# KiCad board TRX055.01.01.PB.00.00.kicad_pcb (continued)
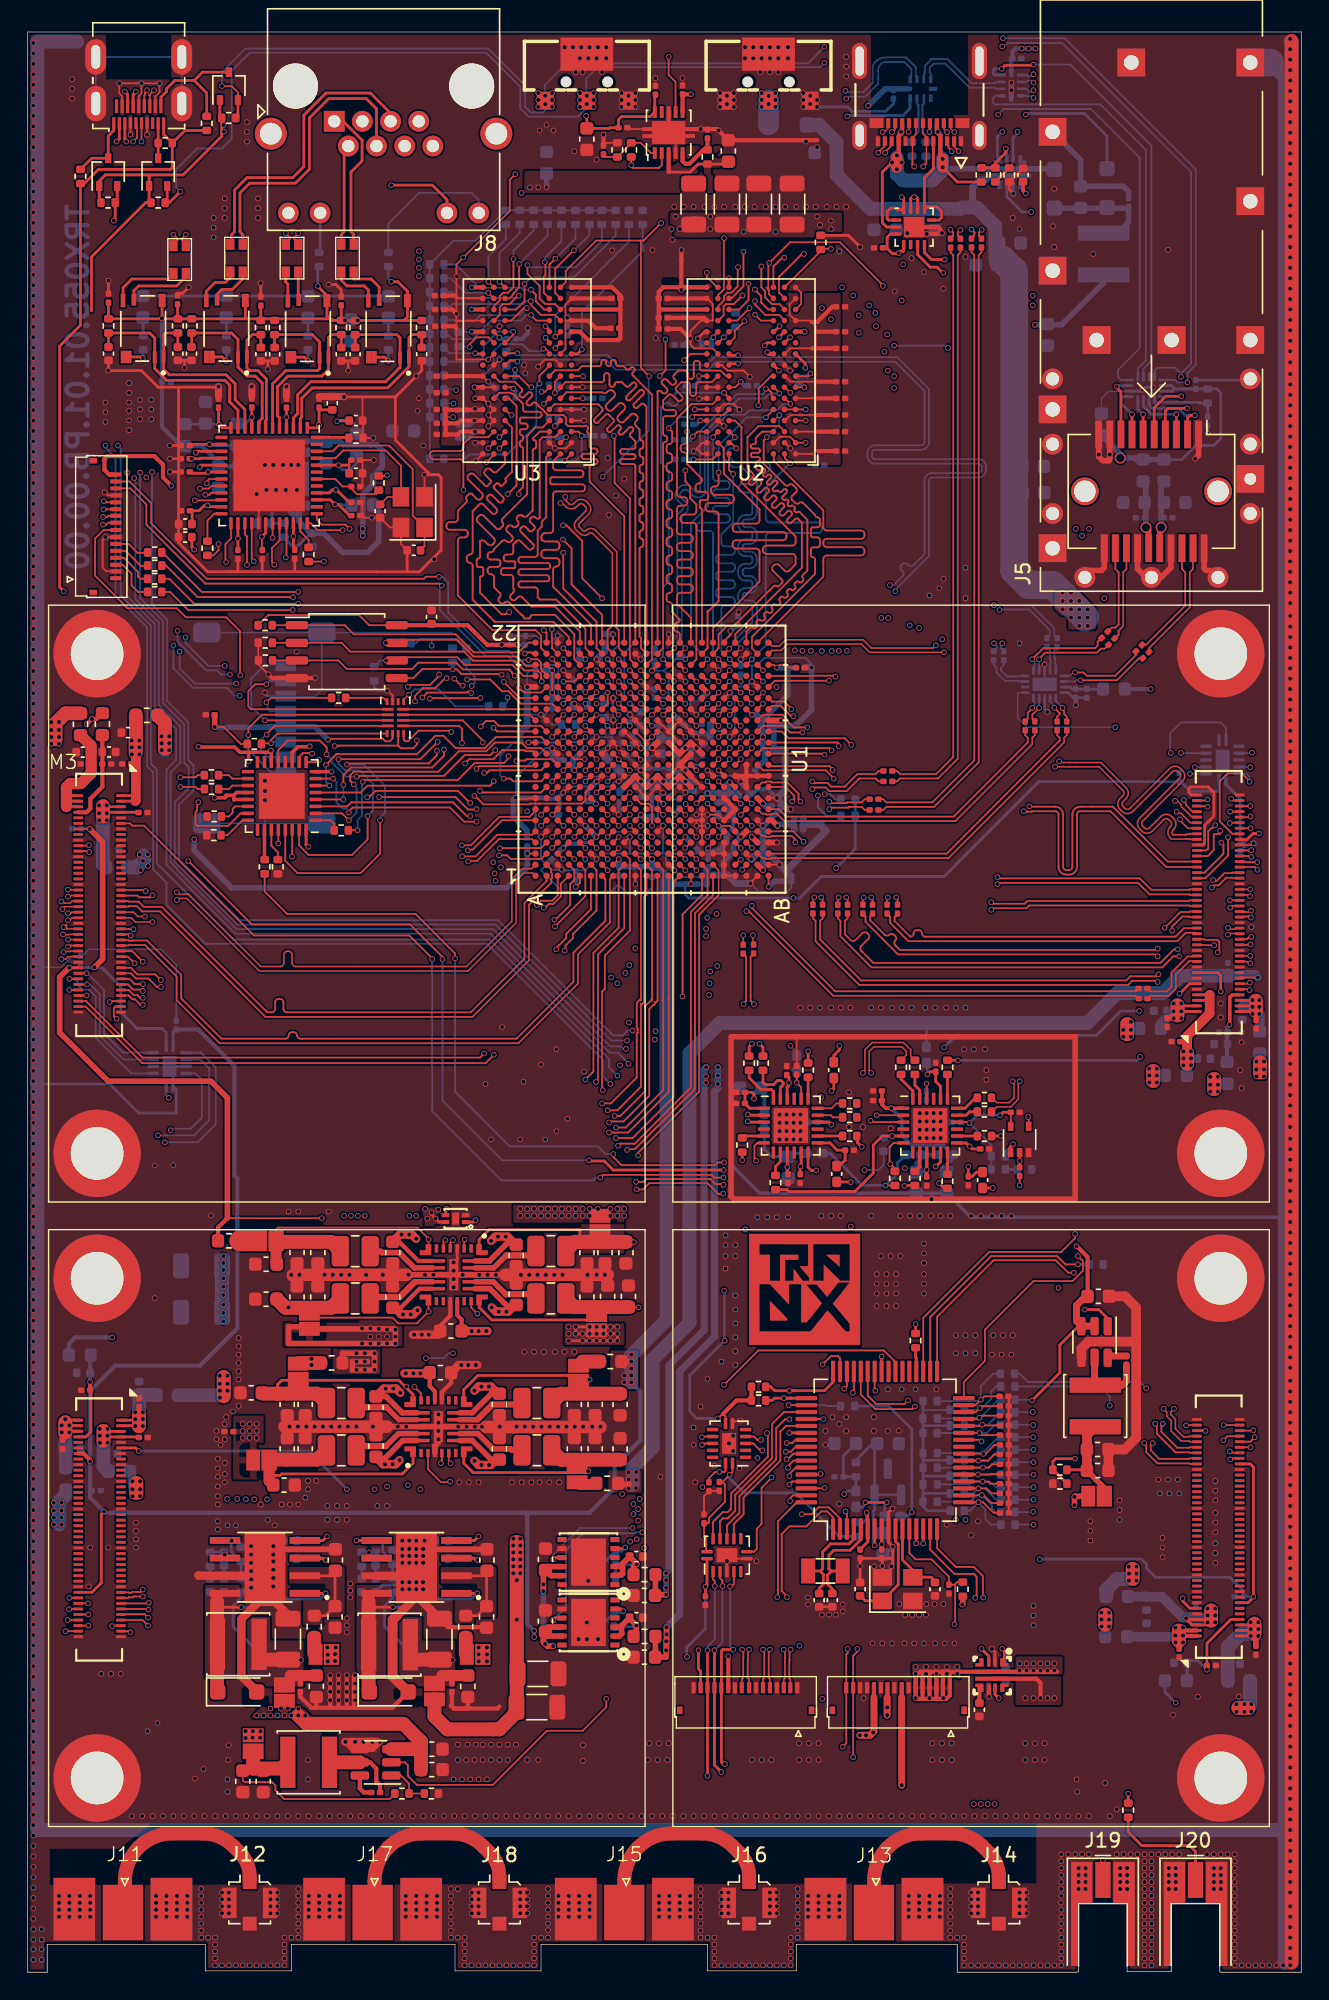
[diagram p0: board, top side]
## Routing (per net, layer and track width the routed paths; a pad name or vN(x,y) marks a point on that pad's centre or on a via; arc(x,y) is an arc through that point) (continued)
/ZynqPower/DDRVREF: length 6.2
  Top w0.127: U1.P16 47.39,90.61 ; U1.H16 42.59,90.61
  In2.Cu w0.127: v1(47.4,90.6) U1.P16 42.99,91 v1(42.59,90.6)
/ZynqPower/MGTAVCC: length 77.5
  Top w0.127: v1(49.04,80.99) 49.04,81.04 U1.U4 ; U1.W5 50.6,82.6 v1(49.8,82.6) ; U1.U6 49.79,82.61 ; U1.U8 49.06,84.94 v1(49,84.94)
  Top w0.3: U1.W9 50.96,85.4 v1(50.61,85.75)
  Top w0.4: v1(46.02,27.2) 45.27,27.2 C245.1 45.25,27.18 FB38.2
  In4.Cu w0.4: v1(49.04,80.99) 49.05,81
  In4.Cu w0.5: 48.9,64 48.9,66.4 50.3,67.8 50.3,81.52 50.35,81.57 50.35,82.03 50.3,82.08 50.3,82.1 v1(49.8,82.6) 50.15,82.95 50.15,84.6 49.81,84.94 v1(49,84.94) 50.54,84.94 50.6,85 50.6,85.8
  Bottom w0.127: 48.98,84.94 v1(49,84.94) 49,84.93 ; v1(49.8,82.6) 49.77,82.63 ; 49.05,81 v1(49.04,80.99)
  Bottom w0.4: 49.05,80.75 49.05,80.99 v1(49.04,80.99) ; 49.05,80.75 49.72,80.75 50.38,81.4 50.38,81.94 50.38,81.95 50.38,82.02 v1(49.8,82.6) ; 49.05,80.75 C48.1 ; v1(46.02,28.75) v1(46.02,27.2)
  Bottom w0.5: C46.1 50.42,84.94 C45.1 48.97,84.94 48.96,84.94 v1(49,84.94) ; C46.1 51.07,84.97 C49.1 ; C46.1 50.45,85.54 50.61,85.7 ; v1(46.02,28.75) 46.2,28.93 46.2,43.7 48.75,46.25 48.75,65.05 v1(48.9,65.2)
  vias: v1(46.02,28.25) v1(46.02,27.7) v1(48.9,64.55) v1(48.9,64.1)
/ZynqPower/MGTAVTT: length 74
  Top w0.127: U1.Y7 v1(51.4,83.4) ; U1.AB1 v1(53.4,78.2)
  Top w0.4: U1.AB6 53.65,83 v1(54.05,82.6) ; FB37.2 45.25,22.72 C246.1 46.02,22.7 46.02,23.9 ; 46.05,23.65 v1(46.05,24.85) ; U1.AA8 v1(53,84.2) ; v1(52.2,81.8) U1.AA4 ; U1.AA2 v1(53,79.4)
  In4.Cu w0.5: 50.95,70.5 50.95,76.85 51.9,77.8 53,77.8 v1(53.4,78.2) ; 50.95,70.5 50.95,67.15 49.75,65.95 v1(49.75,64) ; 50.95,70.5 50.95,70.15
  Bottom w0.127: 51.38,83.42 v1(51.4,83.4)
  Bottom w0.4: C44.1 53.2,84 v1(53,84.2) ; v1(46.05,24.85) 46.05,23.23 v1(46.02,23.2) v1(46.02,23.85) ; 55.25,82.7 54.15,82.7 v1(54.05,82.6) ; 55.25,82.7 C43.1 ; 55.25,82.7 55.25,82.36 C40.1 ; C41.1 53.8,78.6 v1(53.4,78.2) ; C42.1 v1(53,79.4)
  Bottom w0.5: v1(46.05,24.85) 47,25.8 47,43.3 49.5,45.8 49.5,63.45 49.75,63.7 v1(49.75,65.2)
  vias: v1(46.05,24.35) v1(49.75,64.6)
/ZynqPower/PS_MIO_VREF_501: length 3
  Top w0.2: U1.F15 v1(41,90.6)
  Bottom w0.127: R70.1 39.76,90.16 40.56,90.16 v1(41,90.6) 41.39,90.6 R69.2
/ZynqPower/QBUCK_LP87524J1/SW0: length 5.1
  Top w0.4: 35.55,37.69 L5.1 34.9,37.61 34.8,37.71 33.5,37.71 33.5,37.75 32.44,38.81 U6.10
/ZynqPower/QBUCK_LP87524J1/SW1: length 5.1
  Top w0.4: 35.53,40.91 L6.1 35.5,40.89 ; 32.44,39.81 U6.12
  Top w0.45: 35.53,40.91 33.5,40.91 32.44,39.85
/ZynqPower/QBUCK_LP87524J1/SW2: length 5
  Top w0.4: 23.64,37.76 23.56,37.69 ; 25.84,37.93 26.71,38.81 U6.25 ; 24,37.93 23.67,37.61
  Top w0.45: 25.84,37.93 25.81,37.91 24.02,37.91 24,37.93
/ZynqPower/QBUCK_LP87524J1/SW3: length 5
  Top w0.38: U6.23 26.75,39.81 25.87,40.69
  Top w0.4: 23.95,40.69 23.67,40.96 ; 23.56,40.88 23.64,40.81
  Top w0.45: 23.95,40.69 23.97,40.71 25.85,40.71 25.87,40.69
/ZynqPower/QBUCK_LP87524J/SW0: length 5.1
  Top w0.4: 24.76,51.87 L1.1 25.41,51.95 25.51,51.85 26.81,51.85 26.81,51.81 27.87,50.75 U4.10
/ZynqPower/QBUCK_LP87524J/SW1: length 5.1
  Top w0.4: 24.81,48.67 L2.1 24.78,48.65 ; 27.87,49.75 U4.12
  Top w0.45: 24.78,48.65 26.81,48.65 27.87,49.71
/ZynqPower/QBUCK_LP87524J/SW2: length 5
  Top w0.4: 36.31,51.63 36.64,51.95 ; U4.25 33.6,50.75 34.47,51.63 ; 36.67,51.8 36.75,51.88
  Top w0.45: 36.31,51.63 36.29,51.65 34.5,51.65 34.47,51.63
/ZynqPower/QBUCK_LP87524J/SW3: length 5
  Top w0.4: 36.75,48.67 36.67,48.75 ; 36.36,48.87 36.64,48.6 ; U4.23 33.56,49.75 34.44,48.87
  Top w0.45: 36.36,48.87 36.34,48.85 34.46,48.85 34.44,48.87
PWR_CORE: length 180.6
  Top w0.3: 33.95,41.63 33.95,41.85 ; C158.1 26.88,47.88 28.25,49.25 U4.13 ; 26.25,52.58 26.25,52.8 ; C163.1 28.97,42.22 29.35,41.85 U6.18 ; C161.1 33.97,36.9 33.95,36.9 ; C160.1 31.28,47.03 30.96,47.34 U4.18 ; 35.2,48.17 35.2,47.95 ; 25.05,37.16 25.05,36.95 ; 26.35,47.97 26.35,47.75 ; C162.1 26.78,52.62 28.15,51.25 U4.9 ; C157.1 25.1,41.7 ; 35.15,52.44 35.15,52.65
  Top w0.4: U4.26 33.28,51.25 34.58,52.55 35.12,52.55 ; U6.9 32.04,38.31 33.42,36.94 C161.1 ; U4.22 33.31,49.25 34.56,48 35.12,48 ; C159.1 33.42,41.69 32.04,40.31 U6.13 ; U6.22 27,40.31 25.83,41.49 C157.1 ; 25.19,37.01 25.73,37.01 27.03,38.31 U6.26
  Top w0.6: v1(32.2,36.85) 32.5,36.55 v1(32.7,36.55) 33.39,36.55 33.77,36.94 C161.1 ; 26.25,52.58 26.81,53.15 v1(27.5,53.15) 27.7,53.15 v1(28,52.85) ; v1(26.8,36.9) 26.5,36.6 v1(26.3,36.6) 25.61,36.6 25.05,37.16 ; C157.1 25.67,42.05 v1(26.35,42.05) 26.55,42.05 v1(26.85,41.75) ; C160.1 33.15,46.2 ; v1(33.4,52.7) 33.7,53 v1(33.9,53) 34.58,53 35.15,52.44 ; v1(28.1,47.7) 27.8,47.4 v1(27.6,47.4) 26.92,47.4 26.35,47.97 ; 35.2,48.17 34.64,47.6 v1(33.95,47.6) 33.75,47.6 v1(33.45,47.9) ; 29.03,43.15 27.15,43.15 ; 33.95,41.63 33.39,42.2 v1(32.7,42.2) 32.5,42.2 v1(32.2,41.9)
  Top w1: JP12.2 29.31,18.44 30.25,17.5 34,17.5 35.25,18.75 v1(35.25,28.25) 35.25,31
  In4.Cu w0.127: v1(35.25,25.4) 36.41,25.4 37.08,24.72 41.53,24.72 41.7,24.55 43.99,24.55 44.97,25.53 46.75,25.53 48.35,27.12 48.35,27.8 48.74,28.19 51.89,28.19 51.9,28.18 56.12,28.18 56.78,27.53 69.12,27.53 72.88,31.28 72.88,39.12 72.57,39.43
  In4.Cu w0.3: 25.8,43.1 25.8,43.55 26.95,44.7 26.95,53.15 v1(26.95,53.15) v1(27.5,53.15) ; 25.8,43.1 v1(25.8,42.05) 25.8,36.65 v1(25.75,36.6) 26.45,35.9 32.6,35.9 v1(33.25,36.55) v1(33.25,42.2) 34.5,43.45 34.5,46.1 ; 25.8,43.1 25.85,43.15 v1(27.25,43.15) ; 34.5,46.1 33.15,46.1 v1(33.05,46.2) ; 34.5,46.1 v1(34.5,47.6) 34.5,52.95 v1(34.45,53)
  In4.Cu w1: v1(35.25,28.25) 35.25,33.75 33.38,35.62 33.38,36.38 33,36.75
  Bottom w0.127: v1(72.47,39.43) 72.45,39.45 R127.1
  vias: v1(27.05,47.4) v1(27.8,43.15) v1(28.3,43.15) v1(32,46.2) v1(32.5,46.2) v1(35,31.25) v1(35,30.75) v1(35,30.25) v1(35,29.75) v1(35,29.25) v1(35,28.75) v1(35.5,31.25) v1(35.5,30.75) v1(35.5,30.25) v1(35.5,29.75) v1(35.5,29.25) v1(35.5,28.75)
SR_A0: length 96.6
  Top w0.127: 17.9,51.07 C10.1 ; U4.8 28.89,52.86 28.1,53.65 18.05,53.65 17.9,53.5 JP1.1
  Top w0.8: JP1.1 17.9,51.07
  Top w1: JP1.1 17.97,52.62 21.86,52.62 L1.2
  In2.Cu w0.127: v1(28.9,52.8) 29.6,52.1 29.6,50.4 29.72,50.28 29.72,43.27 28.75,42.3 28.62,42.3 28.3,41.97 28.3,34.9
  In4.Cu w0.127: 67.17,28.82 67.28,28.82 ; 67.17,28.82 68.45,28.82 70.6,30.97 70.6,33.68 71.9,34.97 72.47,34.97 ; 67.17,28.82 57.38,28.82 56.92,29.28 52.69,29.28 52.68,29.26 52.37,29.26 52.36,29.28 50.57,29.28 50.55,29.26 50.25,29.26 50.23,29.28 47.97,29.28 47.08,28.38 47.08,27.65 46.22,26.8 37.16,26.8 36.53,27.43 34.6,27.43 34.25,27.78 34.25,32 32.88,33.38 28.61,33.38 28.3,33.69 v1(28.3,34.8)
  Bottom w0.127: R117.1 v1(72.5,34.95)
SR_A1: length 90.8
  Top w0.127: JP2.1 20.64,47.16 26.29,47.16 26.7,46.75 28.05,46.75 28.89,47.58 U4.14
  Top w1: C9.1 18.57,47.88 C4.1 21.86,47.88 L2.2
  In2.Cu w0.127: v1(28.9,47.6) 29.4,47.1 29.4,45.8 28.2,44.6 27.4,44.6 25.4,42.6 25.4,38.3 24.8,37.7 24.8,35.1 25,34.9
  In4.Cu w0.127: 72.47,32.3 71.82,32.3 71.53,32 71.53,30.53 68.9,27.9 56.95,27.9 56.4,28.45 48.47,28.45 48.03,28 48.03,27.2 46.62,25.8 44.08,25.8 43.5,25.22 42.08,25.22 41.56,25.74 36.83,25.74 36.39,26.18 34.45,26.18 33.3,27.32 33.3,31.68 32.53,32.45 27.68,32.45 25.33,34.8 v1(25,34.8)
  Bottom w0.127: R111.1 v1(72.5,32.25)
  vias: v1(18.8,47.9)
SR_A2: length 74.9
  Top w0.2: 39.8,52.62 39.8,53.5 33.25,53.5 32.53,52.78 U4.1
  Top w1: L3.2 39.45,52.62 C5.1 43.11,52.62 C11.1
  In4.Cu w0.127: v1(43.7,52.6) 43.7,48.3 43.4,48 43.4,45.5 42,44.1 42,30.28 42.53,29.75 42.54,29.76 46.24,29.76 47.08,30.6 60.62,30.6 60.94,30.28 68.5,30.28 69.68,31.45 69.68,34.07 71.35,35.75 71.35,37.03 71.97,37.65 72.47,37.65
  Bottom w0.127: R123.1 v1(72.5,37.65)
SR_A3: length 71.7
  Top w0.127: C12.1 43.33,47.9 v1(44.04,47.9)
  Top w0.2: U4.21 32.53,47.92 33.45,47 40.6,47 JP4.1
  Top w1: C12.1 39.41,47.92 L4.2
  In4.Cu w0.127: 65.42,30.53 68.3,30.53 69.38,31.6 69.38,34.2 70.7,35.53 70.7,37.53 71.72,38.55 72.32,38.55 ; 65.42,30.53 63.75,30.53 63.07,31.2 57.3,31.2 57,30.9 46.8,30.9 46,30.1 42.7,30.1 42.3,30.5 42.3,43.82 43.8,45.32 43.8,47.66 v1(44.04,47.9) ; 65.42,30.53 65.47,30.53
  Bottom w0.127: R125.1 v1(72.47,38.55)
SR_B0: length 59.7
  Top w0.2: JP5.1 39.15,36 32.1,36 31.42,36.68 U6.8
  Top w1: C13.1 38.46,36.93 L5.2
  In4.Cu w0.127: 41.3,35.2 41.3,35.1 ; 41.3,35.2 41.3,30.03 42.6,28.72 44.62,28.72 45.03,29.12 46.8,29.12 47.65,29.97 50.23,29.97 50.25,29.99 50.55,29.99 50.57,29.97 52.36,29.97 52.37,29.99 52.68,29.99 52.69,29.97 60.17,29.97 60.51,29.64 62.54,29.64 62.58,29.6 68.78,29.6 70.3,31.12 70.3,33.82 72.3,35.82 72.5,35.82 ; 41.3,35.2 41.3,35.7 40.9,36.1 v1(40.4,36.1)
  Bottom w0.127: R119.1 v1(72.5,35.85)
SR_B1: length 66.8
  Top w0.2: JP6.1 39.25,43 32.45,43 31.42,41.97 U6.14
  Top w1: C14.1 42.69,41.69 38.45,41.69 L6.2
  In4.Cu w0.127: v1(40.5,42.7) 41.4,42.7 41.64,42.46 41.64,30.16 42.78,29.03 44.42,29.03 44.85,29.45 46.6,29.45 47.45,30.3 60.4,30.3 60.69,30.01 68.71,30.01 70,31.3 70,33.95 71.68,35.62 71.68,36.45 71.95,36.72 72.5,36.72
  Bottom w0.127: R121.1 v1(72.5,36.75)
SR_B2: length 78.8
  Top w0.2: 27.78,37.71 27.78,36.68 27,35.9 18.3,35.9 18.2,35.8 17.5,35.8 17.3,36 17.3,36.8 JP7.1
  Top w0.8: JP7.1 17.4,35.4 C15.1
  Top w1: 18.03,36.94 C23.1 20.86,36.94 L7.2
  In2.Cu w0.127: v1(27.4,36.5) 27.4,35.2
  In4.Cu w0.127: v1(27.4,35.1) 27.4,33.7 28.05,33.05 32.78,33.05 33.97,31.85 33.97,27.57 34.6,26.95 36.55,26.95 37.05,26.45 46.33,26.45 47.38,27.5 47.38,28.22 48.15,29 56.75,29 57.22,28.53 68.57,28.53 70.9,30.85 70.9,33.55 71.4,34.05 72.47,34.05
  Bottom w0.127: R115.1 v1(72.5,34.05)
SR_B3: length 84.8
  Top w0.2: 18.08,41.69 18,41.77 18,42.34 18.31,42.65 26.75,42.65 27.78,41.62 27.78,40.91 ; 16.94,41.69 C16.1
  Top w1: 18.08,41.69 16.94,41.69 ; 18.08,41.69 18.08,41.69 ; 18.08,41.69 C20.1 20.85,41.69 L8.2
  In2.Cu w0.127: v1(27.3,42.2) 27.3,41.5 25.7,39.9 25.7,38.1 25.2,37.6 25.2,35.7 v1(25.9,35)
  In4.Cu w0.127: 72.4,33.2 71.57,33.2 71.2,32.82 71.2,30.68 68.72,28.2 57.12,28.2 56.6,28.72 48.33,28.72 47.7,28.1 47.7,27.32 46.5,26.12 43.83,26.12 43.3,25.6 42.28,25.6 41.78,26.1 36.97,26.1 36.5,26.57 34.53,26.57 33.65,27.45 33.65,31.75 32.65,32.75 27.85,32.75 25.9,34.7 v1(25.9,35)
  Bottom w0.127: R113.1 72.45,33.15
  Bottom w0.2: 72.45,33.15 v1(72.47,33.18)
SR_C0: length 95.8
  Top w0.2: v1(72.4,41.2) 74.4,43.2 74.4,45.2 75.75,46.55 U30.3
  Top w0.3: C285.1 76.4,51.54 75.64,52.3 v1(75.6,52.3)
  Top w0.5: U30.2 U30.3 75.6,46.9 75.6,48.05 76.25,48.7 C285.1
  In2.Cu w0.127: v1(72.6,118.7) 72.5,118.6 72.5,104.3 72.8,104 75,104 75.2,103.8 75.2,102.4 75.5,102.1 76.7,102.1 77.6,101.2 v1(77.6,99)
  In4.Cu w0.3: v1(75.6,52.3) 75.95,52.65 75.95,68.55 77.8,70.4 77.8,86.58 79.25,88.03 79.25,94.15 77.6,95.8 v1(77.6,99)
  Bottom w0.127: R131.1 72.35,41.25 v1(72.4,41.2)
  Bottom w0.2: L16.2 77.55,121.85
  Bottom w0.4: v1(72.6,118.7) 74.53,118.7 77.55,121.72 L16.2
VREF_DDR: length 73.2
  Top w0.127: v1(40.03,114.99) 40.02,115 U3.H1 ; v1(45.56,115.01) 45.98,115.43 45.98,117.58 ; U3.M8 34,117.8 ; 49.78,118.2 49.38,117.8 ; U2.H1 56.23,115 v1(56.42,115.19)
  Top w0.3: 47.81,135.31 47.81,135.31 C147.1 ; U15.6 47.2,135.28 47.18,135.3
  In2.Cu w0.127: v1(40.03,114.99) 40.52,115.48 45.12,115.48 45.54,115.06 ; v1(33.99,117.78) 33.99,117.73 33.88,117.84 32.15,117.84 32.15,117.84 31.85,117.84 31.85,117.84 31.8,117.84 31.39,117.43 31.39,116.03 31.97,115.46 v1(35.13,115.46) ; v1(45.96,117.65) 45.96,117.83 46.33,118.2 48.91,118.2 49.31,117.8 v1(49.43,117.8) 49.9,117.33 50.99,117.33 51.66,118 53.34,118 54.89,116.44 56.15,116.44 56.41,116.18 56.41,115.31 56.36,115.26
  In2.Cu w0.3: v1(47.8,135.32) 47.8,129.94 44.24,126.38 35.47,126.38 32.36,123.28 32.45,123.19 32.45,119.32 v1(33.99,117.78)
  In4.Cu w0.127: v1(40.03,114.99) 36.26,114.99 35.88,114.61 35.51,114.61 35.02,115.1 35.02,115.45
  Bottom w0.3: C330.1 34.09,117.68 v1(33.99,117.78) ; C328.1 49.27,117.64 v1(49.43,117.8) ; C327.1 56.2,114.97 v1(56.42,115.19) ; 35.14,114.95 35.14,115.45 v1(35.13,115.46)
Net-(C134-Pad1): length 1.3
  Bottom w0.2: R59.2 8.32,119.2 C134.1
Net-(C138-Pad1): length 1.3
  Bottom w0.2: R62.2 14.32,119.2 C138.1
Net-(C142-Pad1): length 1.3
  Bottom w0.2: R65.2 C142.1
Net-(C146-Pad1): length 1.3
  Bottom w0.2: R68.2 26,119.1 26.1,119.2
Net-(C176-Pad1): length 5.4
  Bottom w0.2: 58.8,35.7 58.8,37.19 C176.1 ; 58.99,35.7 R86.2 FB17.2 59.09,34.67 58.88,34.45
  vias: v1(58.85,34.45)
Net-(C237-Pad2): length 0.9
  Bottom w0.2: C237.2 C241.1
Net-(C240-Pad1): length 6.9
  Top w0.4: 42.88,29.44 42.72,29.28 42.28,29.28 ; 42.88,29.44 42.88,28.71 42.8,28.62 42.28,28.62 ; 42.88,29.44 C240.1 43.86,29.48 43.86,29.42 v1(43.89,29.4) 43.81,29.4 43.67,29.26 FB38.1
  Bottom w0.2: R162.1 R7.1 43.76,29.35 43.81,29.4 v1(43.89,29.4)
Net-(C243-Pad1): length 0.9
  Bottom w0.2: R4.2 C243.1
Net-(C252-Pad1): length 0.9
  Bottom w0.2: R92.2 C252.1
Net-(C254-Pad2): length 0.9
  Bottom w0.2: C254.2 C255.1
Net-(C382-Pad1): length 49.7
  Top w0.127: C382.1 v1(71.5,56.7)
  Top w0.2: R141.2 79.32,12.19 v1(79.32,12.87)
  In2.Cu w0.2: v1(71.5,56.7) 71.77,56.7 73.85,54.62 73.85,48.08 74.05,47.88 74.05,39.78 74.33,39.5 74.33,31.7 78.78,27.25 78.78,23.76 77.39,22.37 77.39,14.88 79.32,12.95 v1(79.32,12.87)
Net-(C382-Pad2): length 2.6
  Top w0.127: C382.2 U28.2
  Bottom w0.2: v1(71.5,58.46) 71.5,57.99 R164.1 70.48,57.84 R165.2
Net-(D2-A): length 35.2
  In2.Cu w0.2: v1(53.9,134.9) 54.7,134.9 56.2,136.4 56.2,138.7 56.8,139.3 65.8,139.3 66.8,138.3 66.8,136.5 68.9,134.4 71.4,134.4 v1(71.95,133.85)
  Bottom w0.2: D5.2 77.8,132.29 76.17,133.92 72.02,133.92 v1(71.95,133.85)
  Bottom w1.5: D2.2 53.4,134.9
  vias: v1(52.9,135.4) v1(52.9,134.9) v1(52.9,134.4) v1(53.4,135.2) v1(53.4,134.6) v1(53.9,135.4) v1(53.9,134.4)
Net-(J5-VccR): length 5
  Top w0.4: v2(80.6,104.1) 80.8,103.9 J5.15
  Bottom w0.4: v2(80.6,104.1) 80.6,107.21 FB34.1
Net-(J5-VccT): length 4.9
  Top w0.4: J5.16 81.6,104 v2(81.7,104.1)
  Bottom w0.4: 81.9,107.4 81.7,107.2 v2(81.7,104.1)
Net-(J6-CLK): length 6.8
  Top w0.127: R144.1 17.52,91.82 v1(17.2,91.5) 17.3,91.5
  Bottom w0.127: v1(17.2,91.5) 17.3,91.4 17.3,91 17.45,90.84 J6.5
Net-(J6-CMD): length 10.6
  Top w0.127: R154.1 16.89,88.55 v1(17.53,88.55) 17.53,88.78 18,89.25 U10.13
  Bottom w0.127: v1(17.53,88.55) 17.63,88.64 18.6,88.64
Net-(J6-DAT0): length 14.2
  Top w0.127: v1(17.2,92.8) 16.4,92.8 15.9,92.3 15.9,91.2 16.1,91 U10.9
  Bottom w0.127: v1(17.2,92.8) 17.44,93.05 J6.7
Net-(J6-DAT1): length 15.2
  Top w0.127: U10.11 v1(17.1,90.2)
  Bottom w0.127: 18.6,94.14 17.05,94.14 16.1,93.2 16.1,91.2 v1(17.1,90.2)
Net-(J6-DAT2): length 15.4
  Top w0.127: v1(15.9,89.14) 15.9,89.62 16.88,90.6 U10.10
  Bottom w0.127: 18.6,86.44 17.56,86.44 15.9,88.1 v1(15.9,89.14)
Net-(J6-DAT3/CD): length 12.4
  Top w0.127: v1(17.23,89.17) 17.23,89.23 17.8,89.8 U10.12
  Bottom w0.127: v1(17.23,89.17) 17.17,89.17 16.8,88.8 16.8,88.04 17.3,87.55 J6.2
Net-(J7-HPD/HEAC-): length 5
  Top w0.2: J7.1 6.2,132.7 5.8,132.3 Q3.3 4.6,130.7 R105.2
Net-(J7-SCL): length 2.5
  Top w0.2: J7.17 Q1.3
Net-(J7-SDA): length 9.4
  Top w0.2: J7.18 9.6,135.1 10,135.5 10,135.7 10.6,136.3 12,136.3 ; 12,136.3 12.6,136.9 Q2.3 ; 12,136.3 12.9,135.4 R102.2
Net-(J8-Pad10): length 2.9
  Bottom w0.2: J8.10 21.08,123.99 R161.2
Net-(J8-Pad12): length 10.7
  Bottom w0.127: R160.2 26,126 28.2,128.2 32,128.2 32.51,127.69 J8.12
Net-(J10-Pin_3): length 3.6
  Top w0.127: R18.2 7.95,99.45 7.48,99.92 7.48,100.77 6.84,101.41 J10.3
Net-(J10-Pin_4): length 3.1
  Top w0.127: R19.2 8.1,100.4 7.95,100.55 7.95,100.89 6.93,101.91 J10.4
Net-(J10-Pin_5): length 2.7
  Top w0.127: 8.6,101.33 8.14,101.33 7.06,102.41 J10.5
Net-(J10-Pin_6): length 2.6
  Top w0.127: J10.6 7.27,102.91 7.91,102.27 8.61,102.27 R21.2
Net-(J11-In): length 15.6
  Top w1: J12.1 16,6.91 arc(15.82,7.82) 15.3,8.6 14.82,9.08 arc(13.8,9.76) 12.6,10 10.41,10 arc(9.11,9.74) 8,9 arc(7.26,7.89) 7,6.59 7,4
Net-(J13-In): length 15.6
  Top w1: J14.1 70,6.91 arc(69.82,7.82) 69.3,8.6 68.82,9.08 arc(67.8,9.76) 66.6,10 64.41,10 arc(63.11,9.74) 62,9 arc(61.26,7.89) 61,6.59 61,4
Net-(J15-In): length 15.6
  Top w1: J16.1 52,6.91 arc(51.82,7.82) 51.3,8.6 50.82,9.08 arc(49.8,9.76) 48.6,10 46.41,10 arc(45.11,9.74) 44,9 arc(43.26,7.89) 43,6.59 43,4
Net-(J17-In): length 15.6
  Top w1: J18.1 34,6.91 arc(33.82,7.82) 33.3,8.6 32.82,9.08 arc(31.8,9.76) 30.6,10 28.41,10 arc(27.11,9.74) 26,9 arc(25.26,7.89) 25,6.59 25,4
Net-(J19-In): length 61.6
  Top w0.127: J19.1 v1(77.5,8.1)
  Top w0.2: R85.2 63.16,56.69
  In2.Cu w0.2: v1(77.5,8.1) 77.5,12.24 76.32,13.42 76.32,27.72 73.11,30.93 73.11,54.09 69.81,57.39 63.94,57.39 v1(63.2,56.65)
Net-(J20-In): length 8.5
  Top w0.2: 79.32,11.16 79.32,10.1 80.3,9.12 83.75,9.12 84.18,8.7 J20.1
Net-(JP13-A): length 7.2
  Top w0.2: C283.1 76.3,36.2 R137.1
  Top w0.4: JP13.1 77.6,34.9 C283.1
  Top w0.7: L15.2 76.35,38.7 C282.1 C283.1
Net-(JP14-A): length 16.5
  Top w0.127: R139.1 26.06,12.47 18.5,12.47 17.85,13.12 17.85,13.45 17.6,13.7 15.62,13.7 15.5,13.82 C314.1
  Top w1: JP14.1 16.25,14.68 18.3,14.68 L18.2
Net-(L9-Pad1): length 5
  Top w0.2: 10.55,122.35 L9.1 10.1,122 7.5,122 6.87,121.37 T1.7
Net-(L9-Pad4): length 5.1
  Top w0.2: 11.33,122.34 L9.4 11.4,122.15 10.75,121.5 8,121.5 7.66,121.16 7.66,120.51
Net-(L10-Pad1): length 3.3
  Top w0.2: T2.7 12.87,121.12 13.5,121.75 14.25,121.75 14.6,122.1 L10.1 14.55,122.45
Net-(L10-Pad4): length 3.2
  Top w0.2: L10.4 15.5,122 14.75,121.25 14,121.25 13.66,120.91 13.66,120.51
Net-(L11-Pad1): length 2.2
  Top w0.2: L11.1 18.6,121.85 18.56,121.81 18.75,121.62 T3.7
Net-(L11-Pad4): length 2
  Top w0.2: L11.4 19.5,120.52 T3.6
Net-(L12-Pad1): length 3.7
  Top w0.2: 22.55,122.45 L12.1 22.6,121.9 23,121.5 24.25,121.5 24.55,121.2 T4.7
Net-(L12-Pad4): length 3.5
  Top w0.2: L12.4 23.5,122 24.75,122 25.33,121.41 T4.6
Net-(R100-Pad1): length 1.4
  Top w0.2: R99.2 69.75,129.01 R100.1
Net-(R163-Pad1): length 17.4
  Top w0.127: v1(72.12,61.62) 72.15,61.59 U28.4
  In3.Cu w0.127: v1(60.31,57.8) 61.87,57.8 62.35,57.32 68.45,57.32 69.27,58.14 69.27,58.56 72.11,61.4 72.11,61.61
  Bottom w0.127: 60.27,57.8 61.31,57.8 61.7,58.19 R163.1
Net-(U1C-PS_DDR_VRN_502): length 1.8
  Top w0.127: U1.M16 v1(45,90.6)
  Bottom w0.127: 44.22,89.7 44.22,89.82 v1(45,90.6)
Net-(U1C-PS_DDR_VRP_502): length 1.7
  Top w0.127: U1.N16 v1(45.8,90.6)
  Bottom w0.1: v1(45.8,90.6) 46.38,90.02 46.38,89.75
Net-(U1I-INIT_B_0): length 13.1
  Top w0.2: U1.T8 48.21,84.21
  In3.Cu w0.2: v1(56.96,84.78) 56.89,84.85 56.16,84.85 55.66,85.35 48.84,85.35 48.21,84.72 v1(48.21,84.22)
  Bottom w0.127: v1(56.96,84.78) 56.96,83.94 57.58,83.32 R156.1
Net-(U1I-PROGRAM_B_0): length 10.4
  Top w0.2: U1.V10 v1(49.8,86.6)
  In3.Cu w0.2: v1(49.8,86.6) 56.32,86.6 57.41,85.51 57.41,85.12
  Bottom w0.127: v1(57.45,84.88) 57.87,84.88 58.26,84.49 58.64,84.49
Net-(U1J-MGTRREF_112): length 1.6
  Top w0.127: U1.U7 49.01,84.19
  Bottom w0.127: v1(49,84.2) 49,84.17 R152.1
Net-(U2-ZQ): length 1.7
  Top w0.127: 49.78,117.4 v1(50.18,117.8)
  Bottom w0.127: R50.2 50.92,118.54 v1(50.18,117.8)
Net-(U3-ZQ): length 3.1
  Top w0.127: v1(31.85,117.1) 31.85,117.3 32.35,117.8 33.2,117.8 U3.L8
  Bottom w0.127: v1(31.85,117.1) 31.81,117.14 R51.2
Net-(U5-FB/ADJ): length 4
  Top w0.2: U5.5 42.94,30.53 43.07,30.65
  Bottom w0.2: R162.2 R7.2 41.37,29.35 R8.1 42.82,30.35 v1(43.07,30.6)
Net-(U7-BOOT): length 5.8
  Top w0.2: U7.1 32.39,27.29 v1(32.4,27.3)
  Bottom w0.2: v1(32.4,27.3) 32,26.9 C253.1
Net-(U7-COMP): length 1
  Bottom w0.2: R92.1 24.08,30.26 C254.1
  vias: v1(24.6,30.25)
Net-(U7-SS): length 4
  Top w0.2: U7.4 32.2,31.1 v1(32.5,31.4)
  Bottom w0.2: v1(32.5,31.4) 32.2,31.1 C251.1
Net-(U8-FB/ADJ): length 2.8
  Top w0.2: v1(42.92,26.01) 42.76,26.18 42.33,26.18
  Bottom w0.2: v1(42.92,26.01) 42.83,26.01 42.72,25.9 R6.1 41.27,24.9 R5.2
Net-(U10-CLKA): length 7.1
  Top w0.1: U10.5 27.1,91.69 27.45,92.04
  Bottom w0.127: v1(27.49,92.04) 27.89,92.44 29.6,92.44 30.83,91.21 R145.1
Net-(U10-CLKB): length 3.1
  Top w0.127: U10.8 25.63,91.82 R144.2
Net-(U11-GTX_CLK): length 2.7
  Top w0.127: R57.2 12.95,104.6 13.44,105.09 U11.24
Net-(U11-ISET): length 2.5
  Top w0.2: R54.2 23.11,110.59 U11.48 ; 23.04,110.5 23.14,110.6
Net-(U11-RESET_N): length 5
  Top w0.127: 25.3,106.7 25.1,106.5 23.72,106.5 23.17,107.05 22.7,107.05 22.16,107.59 U11.42
Net-(U11-RX_CLK/PHYAD2): length 2.1
  Top w0.127: R56.2 20.25,103.2 19.65,103.8 19.65,103.85 ; U11.35 19.65,103.85 ; 19.65,103.85 19.65,103.78
Net-(U11-XI): length 14.1
  Top w0.127: C108.1 28.6,102.74 Y1.1 27.75,104.95 27.75,108.3 26.05,110 22.4,110 21.99,109.59 U11.46
Net-(U11-XO): length 10.7
  Top w0.127: C109.1 25.94,106.3 Y1.3 26.9,108.55 25.8,109.65 22.74,109.65 22.18,109.09 U11.45
Net-(U12-CLKOUT): length 1.9
  Top w0.127: U12.1 21.83,83 22.1,82.72 22.09,82.72 R26.1
Net-(U12-DM): length 2.2
  Top w0.127: R28.2 14.5,85.25 14.75,85.5 U12.19
Net-(U12-DP): length 2.2
  Top w0.127: R27.2 14.5,86.25 14.75,86 U12.18
Net-(U12-RBIAS): length 2.4
  Top w0.127: U12.24 15.47,83 14.4,81.92 13.92,81.92
Net-(U12-VBUS): length 2.4
  Top w0.127: U12.22 14.95,84 14.78,83.83 14.78,83.55 14.5,83.28 R88.2
Net-(U13-DIFF1): length 1.8
  Top w0.2: U13.18 67.55,62.25 68.3,63 R80.1
Net-(U13-DIFF1B): length 1.6
  Top w0.2: U13.17 67.65,61.75 67.9,62 R81.1
Net-(U13-DIFF2): length 2.1
  Top w0.2: U13.24 63.8,63.5 62.95,64.35 R78.1
Net-(U13-DIFF2B): length 1.9
  Top w0.2: U13.23 64.3,63.55 63.95,63.9 R79.1
Net-(U13-REF): length 1.5
  Top w0.25: U13.8 64.3,58.06 R85.1
Net-(U13-SE1): length 1.5
  Top w0.2: U13.14 R84.1
Net-(U13-SE2): length 1.6
  Top w0.2: U13.12 R83.1
Net-(U13-SE3): length 1.8
  Top w0.2: R82.1 U13.19
Net-(U13-VDD33): length 5
  Top w0.25: U13.9 C170.1
  Bottom w0.25: FB15.1 FB14.2 64.42,58.67 64.05,58.3 C169.1 64.62,57.67 64.77,57.82 v1(64.8,57.82)
Net-(U13-VDDA): length 10.5
  Top w0.25: C172.1 61.57,62.53 61.85,62.25 U13.1
  Bottom w0.25: C171.1 66.25,58.2 66.67,58.62 FB15.2 66,59.57 63.73,59.57 63,60.3 63,61.5 v1(62.25,62.25)
Net-(U15-REFIN): length 4.5
  Top w0.127: 45.2,131.07 44.92,131.07 44.19,131.81 R71.2 43.5,131.79 R72.1 41.53,130.79 41.5,130.82
Net-(U15-VOSNS): length 3.4
  Top w0.3: 47.2,131.07 47.2,130.5 47.4,130.3 47.7,130.3 48.7,131.3 R73.1 49,131.82
Net-(U16-CLKINB/X1): length 1.6
  Top w0.2: R90.1 51.64,60.25 U16.5
Net-(U16-DIFF1): length 1.9
  Top w0.127: R24.1 58.29,62.6 57.94,62.25 U16.18
Net-(U16-DIFF1B): length 1.9
  Top w0.127: U16.17 57.89,61.75 58.05,61.59 58.06,61.6 R25.1
Net-(U16-DIFF2): length 3.2
  Top w0.2: R22.1 52,64.45 52.85,63.6 53.6,63.6 53.75,63.45 U16.24
Net-(U16-DIFF2B): length 3.8
  Top w0.2: U16.23 54.25,63.75 54.45,63.95 54.45,64.1 54.3,64.25 54.05,64.25 53.75,63.95 53.15,63.95 53,64.1 R23.1
Net-(U16-REF): length 1.8
  Top w0.2: U16.8 54.25,58.4 53.9,58.05 R77.1
Net-(U16-SE1): length 1.8
  Top w0.2: R76.1 U16.14
Net-(U16-SE2): length 57.6
  Top w0.127: v1(50.2,58.35) 49.72,58.35 49.53,58.15 42.8,58.15 42.2,58.75 v1(42.2,58.95) ; v1(30.8,73.05) 30.8,73.4 27.95,76.25 18.7,76.25 17.08,77.88 R75.1
  Top w0.2: v1(56.84,57.77) 56.48,57.77 56.25,58 U16.12
  In2.Cu w0.2: v1(50.2,58.35) 51.03,58.35 52.13,57.25 55.94,57.25 56.46,57.77 v1(56.84,57.77)
  Bottom w0.127: v1(42.2,58.95) 41.65,58.95 41.1,59.5 34.75,59.5 30.8,63.45 v1(30.8,73.05)
Net-(U16-SE3): length 1.6
  Top w0.2: U16.19 R74.1
Net-(U16-VDD33): length 7.6
  Top w0.2: U16.9 54.75,57.55 ; 54.75,57.55 v1(54.75,58.01) ; 54.75,57.55 C166.1
  Bottom w0.2: FB12.1 53.1,59.3 53.62,58.78 C164.1 ; C164.1 54.8,58.06 v1(54.75,58.01) ; C164.1 55.03,59 FB13.2
Net-(U16-VDDA): length 6.3
  Top w0.2: v1(52.35,62.95) 52.35,63.25 52.2,63.4 C168.1 C167.1 52.05,62.25 U16.1
  Bottom w0.25: FB12.2 53.1,63.47 C165.1 52.7,63.7 52.35,63.35 v1(52.35,62.95)
Net-(U17-PA8): length 1.7
  Top w0.2: U17.36 64.05,44.25 64,44.3 R87.1
Net-(U17-PC14): length 7.5
  Top w0.2: Y3.1 57.15,28.91 ; 57.15,28.91 57.3,29.06 57.3,30.29 57.87,30.86 59.2,30.86 59.55,31.21 U17.4 ; 57.15,28.91 57.15,28.86 57.35,28.66 57.35,27.96 57.05,27.66 C183.1
Net-(U17-PC15): length 7.5
  Top w0.2: U17.5 60.05,31.17 59.28,30.4 58.1,30.4 57.75,30.05 57.75,29.06 57.9,28.91 ; 57.9,28.91 Y3.2 ; 57.9,28.91 57.9,28.86 57.65,28.61 57.65,27.96 58,27.61 C182.1
Net-(U17-PF0): length 7.5
  Top w0.2: 60,27.13 60.37,26.76 61.6,26.76 62.75,27.91 62.75,30.83 62.55,31.03 U17.10
Net-(U17-PF1): length 5.5
  Top w0.2: U17.11 63.05,30.96 63.05,30.95 63.05,29.71 63.8,28.96 63.8,28.46 65.13,28.46 65.4,28.19
Net-(U17-VBAT): length 4.2
  Top w0.2: 60.46,33.06 60.55,32.97 U17.6 60.55,31.01 C179.1
  Bottom w0.2: v1(60.47,33.11) 60.47,32.64 60.24,32.41 R143.2
Net-(U17-VDD): length 7.1
  Top w0.2: 61.65,30.46 61.55,30.56 U17.8 ; v1(60.38,33.85) v1(61.92,33.85)
  Bottom w0.2: v1(61.55,30.84) 61.55,30.97 61.65,31.06 C174.1 61.65,32.74 FB16.2 61.78,33.68 61.9,33.8 ; v1(60.38,33.85) 60.38,33.73 60.17,33.53 FB17.1
Net-(U20-D+): length 3.4
  Bottom w0.15: R17.2 63.75,132.15 64.2,132.6 64.2,134.55 64.1,134.65 64.1,135.03
Net-(U20-D_): length 3.3
  Bottom w0.15: 64.6,135.03 64.6,134.65 64.5,134.55 64.5,132.55 64.75,132.3 R14.2
Net-(U21-BST): length 1.9
  Top w0.3: U21.6 23.94,13.26 23.92,13.25 24.22,12.95 C312.1
Net-(U21-FB): length 3.3
  Top w0.127: R140.1 R139.2 27.48,13.59 26.89,14.18 U21.1
Net-(U21-SW): length 5.4
  Top w0.3: U21.5 24.67,15.12 25.12,14.68 25.12,13.75 25.39,13.48 C312.2
  Top w1: U21.5 L18.1
Net-(U22-RESET#): length 5.1
  Bottom w0.2: 84.4,113.11 84.46,113.05 R95.2 C274.1 ; 84.4,113.11 81.4,113.11 81.22,113.28 U22.1 ; 84.4,113.11 84.52,113.11
Net-(U26-VDD): length 2.9
  Bottom w0.2: U26.17 75.15,92.6 75.3,92.45 FB40.1
Net-(U27-DVDT): length 1.5
  Top w0.25: v1(71.95,128.15) 71.75,128.35 71.75,128.87
  Bottom w0.25: 71.95,128.2 71.7,128.45 71.7,128.78
Net-(U29-DVDT): length 1.1
  Top w0.3: U29.7 68.6,19.4
Net-(U30-BST): length 1.4
  Top w0.5: 77.85,44.28 77.97,44.4 C281.1
Net-(U30-FB): length 17.5
  Top w0.127: R137.2 73.91,36.2
  Top w0.2: R138.1 73.89,36.22 73.89,36.5 ; 73.89,36.5 73.89,36.79 74.1,37 v1(75.5,37) ; 73.89,36.5 R137.2 ; U30.1 77.85,47.1 77.2,47.75 v1(76.2,47.75)
  In4.Cu w0.2: v1(76.2,47.75) 75.75,47.3 75.75,37.85 75.5,37.6 v1(75.5,37)
Net-(U30-SW): length 5.5
  Top w0.5: C281.2 79.2,42.6 78.9,42.3 L15.1 76.9,42.35 76.9,44.28
Net-(U31-FB/ADJ): length 2.5
  Bottom w0.2: R107.2 18.49,104.4 R108.1 17.6,104.59 U31.5
Net-(U34-BOOT): length 5.8
  Top w0.2: 19.97,27.29 21.47,27.29 v1(21.47,27.3)
  Bottom w0.2: C235.1 21.08,26.9 v1(21.47,27.3)
Net-(U34-COMP): length 1
  Bottom w0.2: R4.1 13.16,30.26 C237.1
  vias: v1(14.2,30.1)
Net-(U34-SS): length 4
  Top w0.2: 19.97,31.1 21.28,31.1 v1(21.58,31.4)
  Bottom w0.2: v1(21.58,31.4) 21.28,31.1 C242.1
unconnected-(J8-PadSH): length 18.8
  In3.Cu w0.127: J8.SH 30.74,129.43 20.56,129.43 J8.SH
unconnected-(J9-SBU2-PadB8): length 0.6
  Top w0.2: J9.B8 65.03,132.63 v1(65,132.6)
unconnected-(U1A-IO_L1P_T0_34-PadJ8): length 4.1
  Top w0.127: U1.J8 v1(43.4,85)
  In2.Cu w0.127: v1(44.2,82.6) 43.84,82.96 43.12,82.96 43,83.08 U1.J8 v1(43.4,85)
unconnected-(U1A-IO_L6N_T0_VREF_34-PadM7): length 10
  Top w0.127: U1.M7 v1(45.8,83.4)
  In2.Cu w0.127: v1(45.8,83.4) 46.24,82.96 46.24,82.45 46.51,82.17 46.81,82.17 47.04,81.95 47.04,81.65 47.25,81.44 47.56,81.44 49.55,79.45 49.55,77.12 50.33,76.35 50.33,76.17
unconnected-(U1D-PS_MIO25_501-PadF11): length 0.6
  Top w0.127: U1.F11 v1(40.2,86.6)
unconnected-(U1K-IO_L5P_T0_13-PadU11): length 0.6
  Top w0.127: U1.U11 v1(49.8,87.4)
unconnected-(U1K-IO_L13P_T2_MRCC_13-PadY18): length 14.5
  Top w0.127: U1.Y18 52.21,92.19
  In2.Cu w0.127: v1(63.58,97.05) 63.53,97.1 57.64,97.1 55.84,95.3 v1(55.84,95.21)
  In4.Cu w0.127: v1(52.19,92.19) 52.21,92.21 52.44,92.21 52.8,92.57 53.29,92.57 53.76,93.04 54.47,93.04 55.84,94.41 55.84,95.12
unconnected-(U1K-IO_L21N_T3_DQS_13-PadW18): length 6.1
  Top w0.127: U1.W18 v1(51.4,92.2)
  In4.Cu w0.127: v1(51.4,92.2) 51.81,92.61 52.36,92.61 52.63,92.88 52.63,93.16 52.83,93.36 53.96,93.36 55.32,94.72 55.32,95.15
  vias: v1(55.3,95.24)
unconnected-(U1K-IO_L21P_T3_DQS_13-PadV18): length 4.1
  Top w0.127: U1.V18 v1(50.6,93)
  In2.Cu w0.127: 53.96,92.6 51.28,92.6 50.88,93 v1(50.6,93)
  vias: v1(53.98,92.59)
unconnected-(U1K-IO_L22P_T3_13-PadU17): length 17.8
  Top w0.127: U1.U17 v1(49.8,92.2)
  In2.Cu w0.127: v1(56.45,95.21) 56.45,95.36 57.69,96.6 63.92,96.6 ; 64,96.6 v1(64.25,96.85)
  In4.Cu w0.127: v1(49.8,92.2) 50.23,91.77 53.79,91.77 56.03,94.01 56.03,94.05 56.2,94.22 56.2,94.96 v1(56.45,95.21)
unconnected-(U17-PB3-Pad57): length 3.8
  Top w0.127: U17.57 55.18,37.36 54.79,36.96 v1(54.7,36.96)
  In4.Cu w0.127: v1(54.7,36.96) 54.64,36.9 52.75,36.9 v1(52.6,37.05)

## Copper pours and planes (outline as drawn; the poured copper is in the pictures)
+1V8 on Top: 38.7,46.75 43,46.75 43,45.2 38.7,45.2
+1V8 on In3.Cu: 0.1,139.7 91.7,139.7 91.2,0.2 0.2,0.2 0.2,0.3
+1V8 on In4.Cu: 34.2,89.4 33.4,89.4 33.2,89.8 32.7,90.3 27.7,90.3 27,89.6 27,54 28,54 28,88.3 33,88.3 33.3,88.6 34.2,88.6
+1V8 on In4.Cu: 49,88.6 49,89.4 34.2,89.4 34.2,88.6
+1V8 on In4.Cu: 27,53.45 31.9,53.45 31.9,52.55 38.55,52.55 39.6,51.6 39.6,46.95 38.65,46.95 38.65,45.05 43.4,45.05 43.4,54.1 28.6,54.1 28.3,55 27,55
+3V3 on Top: 16.6,35.5 16.6,38 17,38 17,40.1 14.8,40.1 14.8,35.5
+3V3 on In4.Cu: 14.8,40.1 17,40.1 17,38 14.8,38
/ZynqPower/VCCAUX on Top: 30.45,54.3 30.45,53.75 28.6,53.75 28.6,54.3 28.35,55.1 29.75,55.1 29.75,54.3
/ZynqPower/VCCAUX on In4.Cu: 49,87.4 49,88.4 34.2,88.4 34.2,87.4
/ZynqPower/VCCAUX on In4.Cu: 29.3,56 30.7,55.2 30.7,54.3 28.6,54.3 28.1,56
/ZynqPower/VCCAUX on In4.Cu: 34.2,88.4 33.3,88.4 33.1,88.2 28.1,88.2 28.1,56 29.3,56 29.3,86.5 30.2,87.4 34.2,87.4
GND on Top: 0.2,139.6 0.2,0.2 91.2,0.2 91.2,139.6
GND on Top: 22.95,29.9 17.35,29.9 17.35,28.1 12.85,28.1 12.85,29.2 15.55,29.2 15.55,31.9 22.95,31.9
GND on Bottom: 0.2,139.6 91.2,139.6 91.2,0.2 0.2,0.2
GND on Bottom: 17.25,53.75 17.25,34.25 42.5,34.25 42.5,53.75
GND on In1.Cu: 0.1,139.7 91.7,139.7 91.7,0.1 86.1,0.1 86.1,5.2 82.2,5.2 82.3,0.3 79.4,0.3 79.4,5.1 75.6,5.1 75.6,0.3 67.1,0.3 67.1,2.1 55.3,2.1 55.3,0.2 49.1,0.2 49.1,2.1 36.9,2.1 36.9,0.2 30.9,0.2 30.9,2.1 18.9,2.1 18.9,0.2 12.9,0.2 12.9,2.1 1.3,2.1 1.3,0.1 0.1,0.1
VCCIO_13 on Top: 41.86,36.15 44.26,36.15 44.26,34.55 41.86,34.55
VCCIO_34 on Top: 42,44.8 44,44.8 44,42 42,42
VDD_1V_RAIL_A on Top: 18.5,46.8 23.9,46.8 23.9,47.2 27,47.2 27,45.1 18.5,45.1
VDD_1V_RAIL_A on In4.Cu: 34.2,90.4 33,91.6 26.9,91.6 24,89 24,45.1 27,45.1 26.9,89.6 27.7,90.4 32.7,90.4 33.5,89.6 34.2,89.6
VDD_1V_RAIL_A on In4.Cu: 49,89.6 49,90.4 34.2,90.4 34.2,89.6
VDD_1V_RAIL_B on Top: 43,54 43,55.3 35,55.3 35,54
VDD_1V_RAIL_B on In4.Cu: 49,87.2 49,85.2 43.2,85.2 43.2,83.8 34.2,83.8 34.2,87.2
VDD_1V_RAIL_B on In4.Cu: 29.4,57.7 43,57.7 43,54.2 32.6,54.2 29.4,56.03
VDD_1V_RAIL_B on In4.Cu: 34.2,87.2 30.2,87.2 29.4,86.4 29.4,56.03 32.22,56.03 32.22,83 33.4,83 34.2,83.8
VDD_5V5A on Top: 17.5,20 17.5,19.1 16.8,19.1 16,18.3 20.6,18.3 19.9,19 19.4,19 19.4,20
VDD_DDR on Top: 22,44.9 22,43.1 25.4,43.1 25.4,44.9
VDD_DDR on Top: 54.6,121 58.6,121 58.6,108.6 54.6,108.6
VDD_DDR on Top: 45.8,122 49.4,122 49.4,117 45.8,117
VDD_DDR on Top: 58.7,126.8 58.7,125 46.3,125 46.3,126.8
VDD_DDR on Top: 38.8,121.6 38.8,117.6 42.6,117.6 42.6,121.6
VDD_DDR on Top: 29.8,122.8 29.8,110 33,110 33,122.8
VDD_DDR on In3.Cu: 58.1,98.3 55.5,96.2 53.2,94.7 52.3,93.8 50.3,93.9 47.3,90.9 42.2,90.9 41.1,92 40.1,92 40.1,92.9 39,92.9 36.8,95.2 36.8,96.3 33.1,96.3 30.7,98.7 29,98.7 29,124.9 34.7,124.9 34.7,130.5 38,134 59.2,134 59.2,125.1 68.82,125.1 68.7,98.3
VDD_DDR on In4.Cu: 22,44.9 25.4,44.9 25.4,43 22,43
VDD_MAIN_PWR on Top: 74,99.5 75.75,99.5 77,98.25 77,96.75 75,96.75 75,97.75 74.5,97.75 74,98.25
VDD_MAIN_PWR on Top: 63.75,22.25 63.75,19.5 67.25,19.5 67.25,22.25
VDD_MAIN_PWR on Top: 68.1,21.45 68.1,21.85 71.2,21.85 71.2,22.75 74.6,22.75 74.6,21.45
VDD_MAIN_PWR on Bottom: 21.35,23.65 22.45,23.65 22.45,22.15 21.35,22.15
VDD_MAIN_PWR on Bottom: 32.25,23.65 33.35,23.65 33.35,22.15 32.25,22.15
VDD_MAIN_PWR on Bottom: 67.8,129.6 73,129.6 73,122.4 69.8,122.4 69.1,123.2 69.1,125.8 67.8,126.8
VDD_SYSTEM on Top: 68.1,21.35 74.5,21.35 74.5,19.25 71.2,19.25 71.2,20.85 68.1,20.85
VDD_VTT on Top: 46,131.6 46,129.8 35.8,129.8 35.8,128.2 51.2,128.2 51.2,131.6
VDD_VTT on Bottom: 44.75,126.4 35.2,126.4 35.2,130 44.75,130
VDD_VTT on Bottom: 27.6,108.4 27.6,125 29.6,125 29.49,108.4
/Main_Power/TPS5430DD_DCDC1/TPSSW on Top: 23.7,27.9 26.2,27.9 26.2,21.2 23.7,21.2
/Main_Power/TPS5430DD_DCDC1/TPSVIN on Top: 29.78,28 32.38,28 32.38,26.8 30.78,26.8 30.78,25 32.17,25 32.17,25.6 33.78,25.6 33.78,29.2 29.78,29.2
/Main_Power/TPS5430DD_DCDC1/TPSVOUT on Top: 26.5,25.6 28.4,25.6 28.4,23.9 30.8,23.9 30.8,20.6 28.2,20.6 28.2,19.2 26.5,19.2
/Main_Power/TPS5430DD_DCDC/TPSSW on Top: 12.78,27.9 15.28,27.9 15.28,21.2 12.78,21.2
/Main_Power/TPS5430DD_DCDC/TPSVIN on Top: 18.85,28 21.45,28 21.45,26.8 19.85,26.8 19.85,25 21.25,25 21.25,25.6 22.85,25.6 22.85,29.2 18.85,29.2
/Main_Power/TPS5430DD_DCDC/TPSVOUT on Top: 15.58,25.6 17.47,25.6 17.47,23.9 19.88,23.9 19.88,20.6 17.28,20.6 17.28,19.2 15.58,19.2
/USB_VUSB on Bottom: 62.5,131.4 62.5,132.8 63.2,132.8 63.2,129.9 65.3,129.9 65.3,132.9 66,132.9 66,131.8 66.4,130.9 72.3,130.9 72.3,129.8 66.9,129.8 66.9,128.4 61.8,128.4 61.8,131.4
/ZynqPower/MGTAVCC on In4.Cu: 51.35,86.65 49.25,86.65 49.25,78.4 51.35,78.4
/ZynqPower/MGTAVTT on In4.Cu: 56.25,86.65 51.5,86.65 51.5,78.4 56.25,78.4
PWR_CORE on In4.Cu: 27,53.45 35.35,53.45 35.4,39.05 35.4,35.9 25.4,35.9 25.4,43 26.65,44.2 27.1,44.65 27.1,46.55
SR_A2 on Top: 43,53.9 43,51.8 39.9,51.8 39.9,53.9

## Text on the board
Bottom: TRX055.01.01.PB.00.00
User.2: JLC06161H-3313 | 8 | 7 | 1 | 2 | 6 | 5 | 3 | 4
